# Altium PCB AD9361_EXT.PcbDoc (part 6 of 9)
Units mil, origin at the board's own origin, x right, y up, seen from the top; angles counter-clockwise.
Board outline 3145.03 x 1955.03 mil, 2 copper layers (Top Layer, Bottom Layer); 53 components, 59 nets, 286 pads, 253 vias.
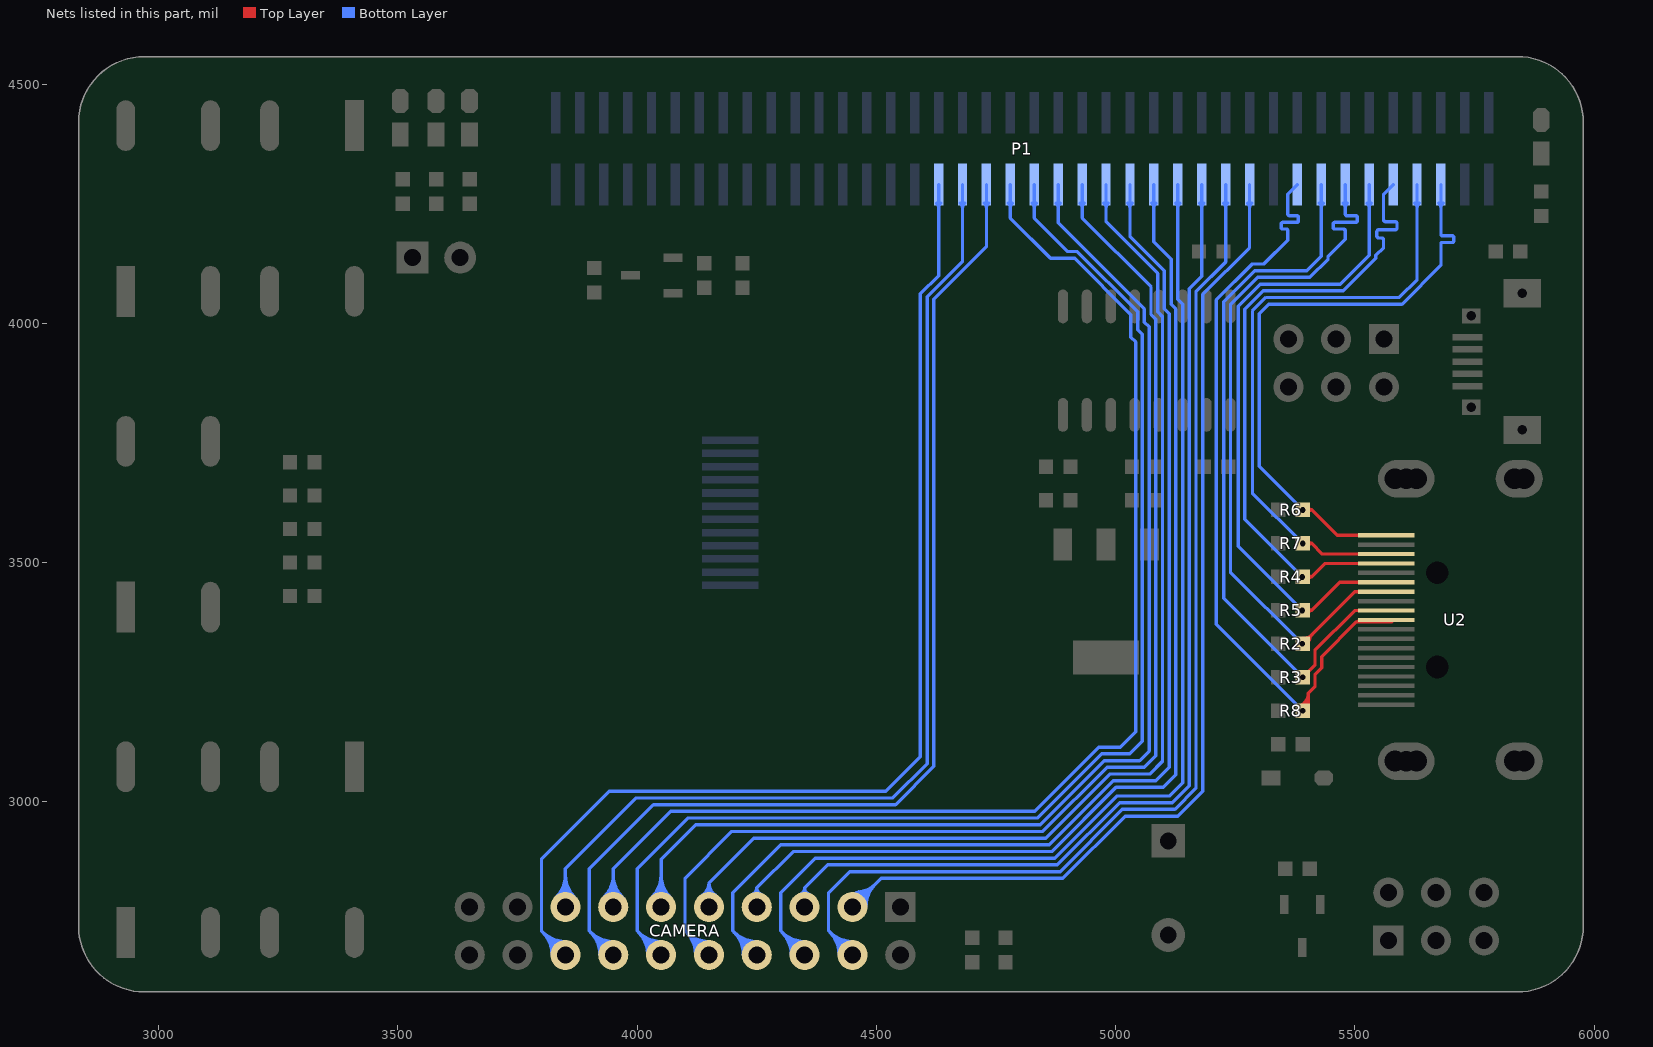
[diagram p6: the nets of this part, all layers, seen from the top]

## Via types
v1: diameter 20, hole 12, Top Layer to Bottom Layer, tented both sides, 253 vias

## Nets (pads, with @x,y where several pads share a name; then routed paths per layer and width w, separated by ;. In a path a pad name is that pad's centre, name@x,y a point inside that pad or via, vN(x,y) a via of type N, cw(c..) or ccw(c..) an arc to the next point about the centre after c; other vN are vias at no path point) (continued)
HDMI_CLK_P: P1.64 R8.1 U2.10 | length 2469.1
  Top Layer w7: v1(5391.18,3190) 5402.68,3201.5 5402.68,3226.65 ; U2.10@5566.06,3380 5581.18,3380 5576.99,3375.82 5503.13,3375.82 ; R8.1@5386.18,3200.36 ccw(c5373.48,3226.65) 5402.68,3226.65 ; R8.1@5386.18,3200.36 ccw(c5373.48,3226.65) 5402.68,3226.65 ; R8.1@5386.18,3200.36 ccw(c5373.48,3226.65) 5402.68,3226.65 ; R8.1@5386.18,3200.36 ccw(c5373.48,3226.65) 5402.68,3226.65 ; R8.1@5389.22,3194.06 ccw(c5378.87,3215.5) 5402.68,3215.5 ; R8.1@5389.22,3194.06 ccw(c5378.87,3215.5) 5402.68,3215.5 ; R8.1@5389.22,3194.06 ccw(c5378.87,3215.5) 5402.68,3215.5 ; R8.1@5389.22,3194.06 ccw(c5378.87,3215.5) 5402.68,3215.5 ; R8.1@5390.69,3190.1 cw(c5401.42,3187.9) R8.1@5398.59,3198.48 ; R8.1@5390.69,3190.1 cw(c5401.42,3187.9) R8.1@5398.59,3198.48 ; R8.1@5390.69,3190.1 cw(c5401.42,3187.9) R8.1@5398.59,3198.48 ; R8.1@5390.69,3190.1 cw(c5401.42,3187.9) R8.1@5398.59,3198.48 ; R8.1@5390.69,3190.1 cw(c5401.42,3187.9) R8.1@5398.59,3198.48 ; R8.1@5390.69,3190.1 cw(c5401.42,3187.9) R8.1@5398.59,3198.48 ; R8.1@5391.18,3196.5 ccw(c5391.18,3212.18) R8.1@5402.27,3201.09 ; R8.1@5391.18,3196.5 ccw(c5391.18,3212.18) R8.1@5402.27,3201.09 ; R8.1@5391.18,3196.5 ccw(c5391.18,3212.18) R8.1@5402.27,3201.09 ; R8.1@5391.18,3196.5 ccw(c5391.18,3212.18) R8.1@5402.27,3201.09 ; R8.1@5391.28,3189.51 ccw(c5389.08,3200.25) R8.1@5399.67,3197.41 ; R8.1@5391.28,3189.51 ccw(c5389.08,3200.25) R8.1@5399.67,3197.41 ; R8.1@5391.28,3189.51 ccw(c5389.08,3200.25) R8.1@5399.67,3197.41 ; R8.1@5391.28,3189.51 ccw(c5389.08,3200.25) R8.1@5399.67,3197.41 ; R8.1@5391.28,3189.51 ccw(c5389.08,3200.25) R8.1@5399.67,3197.41 ; R8.1@5391.28,3189.51 ccw(c5389.08,3200.25) R8.1@5399.67,3197.41 ; R8.1@5392.27,3187.75 ccw(c5384.26,3204.34) R8.1@5402.68,3204.34 ; R8.1@5392.27,3187.75 ccw(c5384.26,3204.34) R8.1@5402.68,3204.34 ; R8.1@5392.27,3187.75 ccw(c5384.26,3204.34) R8.1@5402.68,3204.34 ; R8.1@5392.27,3187.75 ccw(c5384.26,3204.34) R8.1@5402.68,3204.34 ; R8.1@5397.03,3192.83 cw(c5404.36,3196.37) R8.1@5399.05,3202.53 ; R8.1@5397.03,3192.83 cw(c5404.36,3196.37) R8.1@5399.05,3202.53 ; R8.1@5397.03,3192.83 cw(c5404.36,3196.37) R8.1@5399.05,3202.53 ; R8.1@5397.03,3192.83 cw(c5404.36,3196.37) R8.1@5399.05,3202.53 ; R8.1@5397.03,3192.83 cw(c5404.36,3196.37) R8.1@5399.05,3202.53 ; R8.1@5397.03,3192.83 cw(c5404.36,3196.37) R8.1@5399.05,3202.53 ; R8.1@5397.03,3192.83 cw(c5404.36,3196.37) R8.1@5399.05,3202.53 ; R8.1@5397.03,3192.83 cw(c5404.36,3196.37) R8.1@5399.05,3202.53 ; R8.1@5397.03,3192.83 cw(c5404.36,3196.37) R8.1@5399.05,3202.53 ; R8.1@5397.03,3192.83 cw(c5404.36,3196.37) R8.1@5399.05,3202.53 ; R8.1@5397.68,3190 cw(c5413.38,3190) R8.1@5402.28,3201.1 ; R8.1@5397.68,3190 cw(c5413.38,3190) R8.1@5402.28,3201.1 ; R8.1@5397.68,3190 cw(c5413.38,3190) R8.1@5402.28,3201.1 ; R8.1@5397.68,3190 cw(c5413.38,3190) R8.1@5402.28,3201.1 ; 5402.68,3226.65 5416.68,3240.65 5416.68,3265.7 5430.68,3279.7 5430.68,3303.37 5503.13,3375.82 ; 5503.13,3375.82 ccw(c5503.13,3384.17) U2.10@5510.61,3380.46 ; 5503.13,3375.82 ccw(c5503.13,3384.17) U2.10@5510.61,3380.46 ; 5503.13,3375.82 ccw(c5503.13,3384.17) U2.10@5510.61,3380.46 ; 5503.13,3375.82 ccw(c5503.13,3384.17) U2.10@5510.61,3380.46 ; U2.10@5514.42,3375.81 ccw(c5514.42,3378.57) U2.10@5516.89,3377.35 ; U2.10@5514.42,3375.81 ccw(c5514.42,3378.57) U2.10@5516.89,3377.35 ; U2.10@5514.42,3375.81 ccw(c5514.42,3378.57) U2.10@5516.89,3377.35 ; U2.10@5514.42,3375.81 ccw(c5514.42,3378.57) U2.10@5516.89,3377.35
  Bottom Layer w7: P1.64@5380,4290 5360,4270 5360,4250 5360,4228.5 ccw(c5363.5,4228.5) 5363.5,4225 5378.59,4225 cw(c5378.59,4221.5) 5382.09,4221.5 5382.09,4214.5 cw(c5378.59,4214.5) 5378.59,4211 5360,4211 5349.5,4211 ccw(c5349.5,4207.5) 5346,4207.5 5346,4200.5 ccw(c5349.5,4200.5) 5349.5,4197 5356.5,4197 cw(c5356.5,4193.5) 5360,4193.5 5360,4190 5360,4174 5310,4124 5285.21,4124 5210,4048.79 5210,3371.18 v1(5391.18,3190) ; 5380.09,3201.1 cw(c5368.99,3190) v1@5384.68,3190 ; 5380.08,3201.1 ccw(c5391.18,3212.19) v1@5391.18,3196.5 ; 5380.09,3201.1 cw(c5368.99,3190) v1@5384.68,3190 ; 5380.08,3201.1 ccw(c5391.18,3212.19) v1@5391.18,3196.5 ; 5380.09,3201.1 cw(c5368.99,3190) v1@5384.68,3190 ; 5380.08,3201.1 ccw(c5391.18,3212.19) v1@5391.18,3196.5 ; 5380.09,3201.1 cw(c5368.99,3190) v1@5384.68,3190 ; 5380.08,3201.1 ccw(c5391.18,3212.19) v1@5391.18,3196.5
HDMI_DATA0_N: P1.66 R3.1 U2.9 | length 1936.5
  Top Layer w7: v1(5391.18,3260) 5416.68,3285.5 5416.68,3316.37 5500,3399.69 U2.9@5566.06,3399.69 ; R3.1@5390.69,3260.1 cw(c5401.42,3257.9) R3.1@5398.59,3268.48 ; R3.1@5390.69,3260.1 cw(c5401.42,3257.9) R3.1@5398.59,3268.48 ; R3.1@5390.69,3260.1 cw(c5401.42,3257.9) R3.1@5398.59,3268.48 ; R3.1@5390.69,3260.1 cw(c5401.42,3257.9) R3.1@5398.59,3268.48 ; R3.1@5390.69,3260.1 cw(c5401.42,3257.9) R3.1@5398.59,3268.48 ; R3.1@5390.69,3260.1 cw(c5401.42,3257.9) R3.1@5398.59,3268.48 ; R3.1@5391.18,3266.5 ccw(c5391.18,3282.18) R3.1@5402.27,3271.09 ; R3.1@5391.18,3266.5 ccw(c5391.18,3282.18) R3.1@5402.27,3271.09 ; R3.1@5391.18,3266.5 ccw(c5391.18,3282.18) R3.1@5402.27,3271.09 ; R3.1@5391.18,3266.5 ccw(c5391.18,3282.18) R3.1@5402.27,3271.09 ; R3.1@5391.28,3259.51 ccw(c5389.08,3270.25) R3.1@5399.67,3267.41 ; R3.1@5391.28,3259.51 ccw(c5389.08,3270.25) R3.1@5399.67,3267.41 ; R3.1@5391.28,3259.51 ccw(c5389.08,3270.25) R3.1@5399.67,3267.41 ; R3.1@5391.28,3259.51 ccw(c5389.08,3270.25) R3.1@5399.67,3267.41 ; R3.1@5391.28,3259.51 ccw(c5389.08,3270.25) R3.1@5399.67,3267.41 ; R3.1@5391.28,3259.51 ccw(c5389.08,3270.25) R3.1@5399.67,3267.41 ; R3.1@5397.68,3260 cw(c5413.38,3260) R3.1@5402.28,3271.1 ; R3.1@5397.68,3260 cw(c5413.38,3260) R3.1@5402.28,3271.1 ; R3.1@5397.68,3260 cw(c5413.38,3260) R3.1@5402.28,3271.1 ; R3.1@5397.68,3260 cw(c5413.38,3260) R3.1@5402.28,3271.1
  Bottom Layer w7: v1(5391.18,3260) 5226,3425.18 5226,4044.99 5291.01,4110 5400,4110 5430,4140 P1.66@5430,4290 ; 5380.09,3271.1 cw(c5368.99,3260) v1@5384.68,3260 ; 5380.08,3271.1 ccw(c5391.18,3282.19) v1@5391.18,3266.5 ; 5380.09,3271.1 cw(c5368.99,3260) v1@5384.68,3260 ; 5380.08,3271.1 ccw(c5391.18,3282.19) v1@5391.18,3266.5 ; 5380.09,3271.1 cw(c5368.99,3260) v1@5384.68,3260 ; 5380.08,3271.1 ccw(c5391.18,3282.19) v1@5391.18,3266.5 ; 5380.09,3271.1 cw(c5368.99,3260) v1@5384.68,3260 ; 5380.08,3271.1 ccw(c5391.18,3282.19) v1@5391.18,3266.5 ; P1.66@5425.52,4251.66 cw(c5414.69,4240.83) 5430,4240.83 ; P1.66@5425.52,4251.66 cw(c5414.69,4240.83) 5430,4240.83 ; P1.66@5425.52,4251.66 cw(c5414.69,4240.83) 5430,4240.83 ; P1.66@5425.52,4251.66 cw(c5414.69,4240.83) 5430,4240.83 ; 5430,4240.83 cw(c5445.31,4240.83) P1.66@5434.48,4251.66 ; 5430,4240.83 cw(c5445.31,4240.83) P1.66@5434.48,4251.66 ; 5430,4240.83 cw(c5445.31,4240.83) P1.66@5434.48,4251.66 ; 5430,4240.83 cw(c5445.31,4240.83) P1.66@5434.48,4251.66
HDMI_DATA0_P: P1.68 R2.1 U2.7 | length 2231.2
  Top Layer w7: R2.1@5391.18,3330 5411.18,3350 5411.18,3350.23 5500,3439.06 U2.7@5566.06,3439.06 ; R2.1@5389.52,3330.13 cw(c5401.18,3327) R2.1@5398.05,3338.66 ; R2.1@5389.52,3330.13 cw(c5401.18,3327) R2.1@5398.05,3338.66 ; R2.1@5389.52,3330.13 cw(c5401.18,3327) R2.1@5398.05,3338.66 ; R2.1@5389.52,3330.13 cw(c5401.18,3327) R2.1@5398.05,3338.66 ; R2.1@5389.52,3330.13 cw(c5401.18,3327) R2.1@5398.05,3338.66 ; R2.1@5389.52,3330.13 cw(c5401.18,3327) R2.1@5398.05,3338.66 ; R2.1@5390,3336.5 ccw(c5390,3355.04) R2.1@5403.11,3341.93 ; R2.1@5390,3336.5 ccw(c5390,3355.04) R2.1@5403.11,3341.93 ; R2.1@5390,3336.5 ccw(c5390,3355.04) R2.1@5403.11,3341.93 ; R2.1@5390,3336.5 ccw(c5390,3355.04) R2.1@5403.11,3341.93 ; R2.1@5390.07,3329.5 ccw(c5388.73,3339.33) R2.1@5398.31,3336.76 ; R2.1@5390.07,3329.5 ccw(c5388.73,3339.33) R2.1@5398.31,3336.76 ; R2.1@5390.07,3329.5 ccw(c5388.73,3339.33) R2.1@5398.31,3336.76 ; R2.1@5390.07,3329.5 ccw(c5388.73,3339.33) R2.1@5398.31,3336.76 ; R2.1@5390.07,3329.5 ccw(c5388.73,3339.33) R2.1@5398.31,3336.76 ; R2.1@5390.07,3329.5 ccw(c5388.73,3339.33) R2.1@5398.31,3336.76 ; R2.1@5391.18,3341.5 ccw(c5391.18,3369.27) 5410.81,3349.63 ; R2.1@5391.18,3341.5 ccw(c5391.18,3369.27) 5410.81,3349.63 ; R2.1@5391.18,3341.5 ccw(c5391.18,3369.27) 5410.81,3349.63 ; R2.1@5391.18,3341.5 ccw(c5391.18,3369.27) 5410.81,3349.63 ; R2.1@5391.68,3327.55 ccw(c5388.06,3345.26) R2.1@5405.52,3340.58 ; R2.1@5391.68,3327.55 ccw(c5388.06,3345.26) R2.1@5405.52,3340.58 ; R2.1@5391.68,3327.55 ccw(c5388.06,3345.26) R2.1@5405.52,3340.58 ; R2.1@5391.68,3327.55 ccw(c5388.06,3345.26) R2.1@5405.52,3340.58 ; R2.1@5391.68,3327.55 ccw(c5388.06,3345.26) R2.1@5405.52,3340.58 ; R2.1@5391.68,3327.55 ccw(c5388.06,3345.26) R2.1@5405.52,3340.58 ; R2.1@5396.5,3330 cw(c5409.35,3330) R2.1@5400.26,3339.09 ; R2.1@5396.5,3330 cw(c5409.35,3330) R2.1@5400.26,3339.09 ; R2.1@5396.5,3330 cw(c5409.35,3330) R2.1@5400.26,3339.09 ; R2.1@5396.5,3330 cw(c5409.35,3330) R2.1@5400.26,3339.09 ; R2.1@5402.68,3330 cw(c5430.44,3330) 5410.81,3349.63 ; R2.1@5402.68,3330 cw(c5430.44,3330) 5410.81,3349.63 ; R2.1@5402.68,3330 cw(c5430.44,3330) 5410.81,3349.63 ; R2.1@5402.68,3330 cw(c5430.44,3330) 5410.81,3349.63
  Bottom Layer w7: v1(5390,3330) 5240,3480 5240,4039.2 5296.8,4096 5405.8,4096 5444,4134.2 5444,4140 5480,4176 5480,4190 5480,4193.5 ccw(c5476.5,4193.5) 5476.5,4197 5458.24,4197 cw(c5458.24,4200.5) 5454.74,4200.5 5454.74,4207.5 cw(c5458.24,4207.5) 5458.24,4211 5480,4211 5501.76,4211 ccw(c5501.76,4214.5) 5505.26,4214.5 5505.26,4221.5 ccw(c5501.76,4221.5) 5501.76,4225 5483.5,4225 cw(c5483.5,4228.5) 5480,4228.5 5480,4230 P1.68@5480,4290 ; 5378.9,3341.1 cw(c5367.81,3330) v1@5383.5,3330 ; 5378.9,3341.1 ccw(c5390,3352.19) v1@5390,3336.5 ; 5378.9,3341.1 cw(c5367.81,3330) v1@5383.5,3330 ; 5378.9,3341.1 ccw(c5390,3352.19) v1@5390,3336.5 ; 5378.9,3341.1 cw(c5367.81,3330) v1@5383.5,3330 ; 5378.9,3341.1 ccw(c5390,3352.19) v1@5390,3336.5 ; 5378.9,3341.1 cw(c5367.81,3330) v1@5383.5,3330 ; 5378.9,3341.1 ccw(c5390,3352.19) v1@5390,3336.5 ; P1.68@5475.52,4251.66 cw(c5464.69,4240.83) 5480,4240.83 ; P1.68@5475.52,4251.66 cw(c5464.69,4240.83) 5480,4240.83 ; P1.68@5475.52,4251.66 cw(c5464.69,4240.83) 5480,4240.83 ; P1.68@5475.52,4251.66 cw(c5464.69,4240.83) 5480,4240.83 ; 5480,4240.83 cw(c5495.31,4240.83) P1.68@5484.48,4251.66 ; 5480,4240.83 cw(c5495.31,4240.83) P1.68@5484.48,4251.66 ; 5480,4240.83 cw(c5495.31,4240.83) P1.68@5484.48,4251.66 ; 5480,4240.83 cw(c5495.31,4240.83) P1.68@5484.48,4251.66
HDMI_DATA1_N: P1.70 R5.1 U2.6 | length 1734.3
  Top Layer w7: R5.1@5391.18,3400 5410,3400 ; U2.6@5566.06,3458.74 5468.74,3458.74 5410,3400 ; R5.1@5394.6,3395.4 cw(c5405.7,3384.3) R5.1@5405.7,3400 ; R5.1@5394.6,3395.4 cw(c5405.7,3384.3) R5.1@5405.7,3400 ; R5.1@5394.6,3395.4 cw(c5405.7,3384.3) R5.1@5405.7,3400 ; R5.1@5394.6,3395.4 cw(c5405.7,3384.3) R5.1@5405.7,3400 ; R5.1@5394.6,3404.6 ccw(c5405.68,3415.68) R5.1@5405.68,3400 ; R5.1@5394.6,3404.6 ccw(c5405.68,3415.68) R5.1@5405.68,3400 ; R5.1@5394.6,3404.6 ccw(c5405.68,3415.68) R5.1@5405.68,3400 ; R5.1@5394.6,3404.6 ccw(c5405.68,3415.68) R5.1@5405.68,3400 ; R5.1@5401.41,3394.76 cw(c5410,3390.36) 5410,3400 ; R5.1@5401.41,3394.76 cw(c5410,3390.36) 5410,3400 ; R5.1@5401.41,3394.76 cw(c5410,3390.36) 5410,3400 ; R5.1@5401.41,3394.76 cw(c5410,3390.36) 5410,3400 ; R5.1@5401.41,3405.25 ccw(c5410,3409.65) 5410,3400 ; R5.1@5401.41,3405.25 ccw(c5410,3409.65) 5410,3400 ; R5.1@5401.41,3405.25 ccw(c5410,3409.65) 5410,3400 ; R5.1@5401.41,3405.25 ccw(c5410,3409.65) 5410,3400
  Bottom Layer w7: v1(5390,3400) 5256,3534 5256,4035.4 5302.6,4082 5470,4082 5530,4142 P1.70@5530,4290 ; 5378.9,3411.1 cw(c5367.81,3400) v1@5383.5,3400 ; 5378.9,3411.1 ccw(c5390,3422.19) v1@5390,3406.5 ; 5378.9,3411.1 cw(c5367.81,3400) v1@5383.5,3400 ; 5378.9,3411.1 ccw(c5390,3422.19) v1@5390,3406.5 ; 5378.9,3411.1 cw(c5367.81,3400) v1@5383.5,3400 ; 5378.9,3411.1 ccw(c5390,3422.19) v1@5390,3406.5 ; 5378.9,3411.1 cw(c5367.81,3400) v1@5383.5,3400 ; 5378.9,3411.1 ccw(c5390,3422.19) v1@5390,3406.5 ; P1.70@5525.52,4251.66 cw(c5514.69,4240.83) 5530,4240.83 ; P1.70@5525.52,4251.66 cw(c5514.69,4240.83) 5530,4240.83 ; P1.70@5525.52,4251.66 cw(c5514.69,4240.83) 5530,4240.83 ; P1.70@5525.52,4251.66 cw(c5514.69,4240.83) 5530,4240.83 ; 5530,4240.83 cw(c5545.31,4240.83) P1.70@5534.48,4251.66 ; 5530,4240.83 cw(c5545.31,4240.83) P1.70@5534.48,4251.66 ; 5530,4240.83 cw(c5545.31,4240.83) P1.70@5534.48,4251.66 ; 5530,4240.83 cw(c5545.31,4240.83) P1.70@5534.48,4251.66
HDMI_DATA1_P: P1.72 R4.1 U2.4 | length 1638.1
  Top Layer w7: R4.1@5391.18,3470 5410,3470 ; U2.4@5566.06,3498.11 5438.11,3498.11 5410,3470 ; R4.1@5394.6,3465.4 cw(c5405.7,3454.3) R4.1@5405.7,3470 ; R4.1@5394.6,3465.4 cw(c5405.7,3454.3) R4.1@5405.7,3470 ; R4.1@5394.6,3465.4 cw(c5405.7,3454.3) R4.1@5405.7,3470 ; R4.1@5394.6,3465.4 cw(c5405.7,3454.3) R4.1@5405.7,3470 ; R4.1@5394.6,3474.6 ccw(c5405.68,3485.68) R4.1@5405.68,3470 ; R4.1@5394.6,3474.6 ccw(c5405.68,3485.68) R4.1@5405.68,3470 ; R4.1@5394.6,3474.6 ccw(c5405.68,3485.68) R4.1@5405.68,3470 ; R4.1@5394.6,3474.6 ccw(c5405.68,3485.68) R4.1@5405.68,3470 ; R4.1@5401.41,3464.76 cw(c5410,3460.36) 5410,3470 ; R4.1@5401.41,3464.76 cw(c5410,3460.36) 5410,3470 ; R4.1@5401.41,3464.76 cw(c5410,3460.36) 5410,3470 ; R4.1@5401.41,3464.76 cw(c5410,3460.36) 5410,3470 ; R4.1@5401.41,3475.25 ccw(c5410,3479.65) 5410,3470 ; R4.1@5401.41,3475.25 ccw(c5410,3479.65) 5410,3470 ; R4.1@5401.41,3475.25 ccw(c5410,3479.65) 5410,3470 ; R4.1@5401.41,3475.25 ccw(c5410,3479.65) 5410,3470
  Bottom Layer w7: v1(5390,3470) 5270,3590 5270,4029.6 5308.4,4068 5475.8,4068 5544,4136.2 5544,4142 5560,4158 5560,4170 5560,4174.25 ccw(c5555.75,4174.25) 5555.75,4178.5 5550.25,4178.5 cw(c5550.25,4182.75) 5546,4182.75 5546,4191.25 cw(c5550.25,4191.25) 5550.25,4195.5 5560,4195.5 5584.01,4195.5 ccw(c5584.01,4199.75) 5588.26,4199.75 5588.26,4208.25 ccw(c5584.01,4208.25) 5584.01,4212.5 5564.25,4212.5 cw(c5564.25,4216.75) 5560,4216.75 5560,4230 5560,4270 P1.72@5580,4290 ; 5378.9,3481.1 cw(c5367.81,3470) v1@5383.5,3470 ; 5378.9,3481.1 ccw(c5390,3492.19) v1@5390,3476.5 ; 5378.9,3481.1 cw(c5367.81,3470) v1@5383.5,3470 ; 5378.9,3481.1 ccw(c5390,3492.19) v1@5390,3476.5 ; 5378.9,3481.1 cw(c5367.81,3470) v1@5383.5,3470 ; 5378.9,3481.1 ccw(c5390,3492.19) v1@5390,3476.5 ; 5378.9,3481.1 cw(c5367.81,3470) v1@5383.5,3470 ; 5378.9,3481.1 ccw(c5390,3492.19) v1@5390,3476.5
HDMI_DATA2_N: P1.74 R7.1 U2.3 | length 1661.5
  Top Layer w7: v1(5391.18,3540) 5410,3540 ; U2.3@5566.06,3517.8 5432.2,3517.8 5410,3540 ; R7.1@5395.78,3535.4 cw(c5406.87,3524.31) 5406.87,3540 ; R7.1@5395.78,3535.4 cw(c5406.87,3524.31) 5406.87,3540 ; R7.1@5395.78,3535.4 cw(c5406.87,3524.31) 5406.87,3540 ; R7.1@5395.78,3535.4 cw(c5406.87,3524.31) 5406.87,3540 ; R7.1@5395.78,3544.6 ccw(c5406.87,3555.69) 5406.87,3540 ; R7.1@5395.78,3544.6 ccw(c5406.87,3555.69) 5406.87,3540 ; R7.1@5395.78,3544.6 ccw(c5406.87,3555.69) 5406.87,3540 ; R7.1@5395.78,3544.6 ccw(c5406.87,3555.69) 5406.87,3540 ; R7.1@5401.41,3534.75 cw(c5410,3530.35) 5410,3540 ; R7.1@5401.41,3534.75 cw(c5410,3530.35) 5410,3540 ; R7.1@5401.41,3534.75 cw(c5410,3530.35) 5410,3540 ; R7.1@5401.41,3534.75 cw(c5410,3530.35) 5410,3540 ; R7.1@5401.41,3545.25 ccw(c5410,3549.65) 5410,3540 ; R7.1@5401.41,3545.25 ccw(c5410,3549.65) 5410,3540 ; R7.1@5401.41,3545.25 ccw(c5410,3549.65) 5410,3540 ; R7.1@5401.41,3545.25 ccw(c5410,3549.65) 5410,3540
  Bottom Layer w7: v1(5391.18,3540) 5286,3645.18 5286,4025.8 5310.1,4049.9 5314.2,4054 5592.94,4054 5630,4091.06 P1.74@5630,4290 ; 5380.09,3551.1 cw(c5368.99,3540) v1@5384.68,3540 ; 5380.08,3551.1 ccw(c5391.18,3562.19) v1@5391.18,3546.5 ; 5380.09,3551.1 cw(c5368.99,3540) v1@5384.68,3540 ; 5380.08,3551.1 ccw(c5391.18,3562.19) v1@5391.18,3546.5 ; 5380.09,3551.1 cw(c5368.99,3540) v1@5384.68,3540 ; 5380.08,3551.1 ccw(c5391.18,3562.19) v1@5391.18,3546.5 ; 5380.09,3551.1 cw(c5368.99,3540) v1@5384.68,3540 ; 5380.08,3551.1 ccw(c5391.18,3562.19) v1@5391.18,3546.5 ; P1.74@5625.52,4251.66 cw(c5614.69,4240.83) 5630,4240.83 ; P1.74@5625.52,4251.66 cw(c5614.69,4240.83) 5630,4240.83 ; P1.74@5625.52,4251.66 cw(c5614.69,4240.83) 5630,4240.83 ; P1.74@5625.52,4251.66 cw(c5614.69,4240.83) 5630,4240.83 ; 5630,4240.83 cw(c5645.31,4240.83) P1.74@5634.48,4251.66 ; 5630,4240.83 cw(c5645.31,4240.83) P1.74@5634.48,4251.66 ; 5630,4240.83 cw(c5645.31,4240.83) P1.74@5634.48,4251.66 ; 5630,4240.83 cw(c5645.31,4240.83) P1.74@5634.48,4251.66
HDMI_DATA2_P: P1.76 R6.1 U2.1 | length 1661.5
  Top Layer w7: v1(5391.18,3610) 5410,3610 ; U2.1@5566.06,3557.17 5462.83,3557.17 5410,3610 ; R6.1@5395.78,3605.4 cw(c5406.87,3594.31) 5406.87,3610 ; R6.1@5395.78,3605.4 cw(c5406.87,3594.31) 5406.87,3610 ; R6.1@5395.78,3605.4 cw(c5406.87,3594.31) 5406.87,3610 ; R6.1@5395.78,3605.4 cw(c5406.87,3594.31) 5406.87,3610 ; R6.1@5395.78,3614.6 ccw(c5406.87,3625.69) 5406.87,3610 ; R6.1@5395.78,3614.6 ccw(c5406.87,3625.69) 5406.87,3610 ; R6.1@5395.78,3614.6 ccw(c5406.87,3625.69) 5406.87,3610 ; R6.1@5395.78,3614.6 ccw(c5406.87,3625.69) 5406.87,3610 ; R6.1@5401.41,3604.75 cw(c5410,3600.35) 5410,3610 ; R6.1@5401.41,3604.75 cw(c5410,3600.35) 5410,3610 ; R6.1@5401.41,3604.75 cw(c5410,3600.35) 5410,3610 ; R6.1@5401.41,3604.75 cw(c5410,3600.35) 5410,3610 ; R6.1@5401.41,3615.25 ccw(c5410,3619.65) 5410,3610 ; R6.1@5401.41,3615.25 ccw(c5410,3619.65) 5410,3610 ; R6.1@5401.41,3615.25 ccw(c5410,3619.65) 5410,3610 ; R6.1@5401.41,3615.25 ccw(c5410,3619.65) 5410,3610
  Bottom Layer w7: v1(5391.18,3610) 5300,3701.18 5300,4020 5320,4040 5598.74,4040 5680,4121.26 5680,4150 5680,4166.2 cw(c5682.8,4166.2) 5682.8,4169 5703.7,4169 ccw(c5703.7,4171.8) 5706.5,4171.8 5706.5,4180.2 ccw(c5703.7,4180.2) 5703.7,4183 5682.8,4183 cw(c5682.8,4185.8) 5680,4185.8 5680,4190 P1.76@5680,4290 ; 5380.09,3621.1 cw(c5368.99,3610) v1@5384.68,3610 ; 5380.08,3621.1 ccw(c5391.18,3632.19) v1@5391.18,3616.5 ; 5380.09,3621.1 cw(c5368.99,3610) v1@5384.68,3610 ; 5380.08,3621.1 ccw(c5391.18,3632.19) v1@5391.18,3616.5 ; 5380.09,3621.1 cw(c5368.99,3610) v1@5384.68,3610 ; 5380.08,3621.1 ccw(c5391.18,3632.19) v1@5391.18,3616.5 ; 5380.09,3621.1 cw(c5368.99,3610) v1@5384.68,3610 ; 5380.08,3621.1 ccw(c5391.18,3632.19) v1@5391.18,3616.5 ; P1.76@5675.52,4251.66 cw(c5664.69,4240.83) 5680,4240.83 ; P1.76@5675.52,4251.66 cw(c5664.69,4240.83) 5680,4240.83 ; P1.76@5675.52,4251.66 cw(c5664.69,4240.83) 5680,4240.83 ; P1.76@5675.52,4251.66 cw(c5664.69,4240.83) 5680,4240.83 ; 5680,4240.83 cw(c5695.31,4240.83) P1.76@5684.48,4251.66 ; 5680,4240.83 cw(c5695.31,4240.83) P1.76@5684.48,4251.66 ; 5680,4240.83 cw(c5695.31,4240.83) P1.76@5684.48,4251.66 ; 5680,4240.83 cw(c5695.31,4240.83) P1.76@5684.48,4251.66
IO_1: CAMERA.3 P1.60 | length 4054.5
  Bottom Layer w7: P1.60@5280,4290 5280,4158.39 5182,4060.39 5182,3022 5130,2970 5020,2970 4890,2840 4510,2840 CAMERA.3@4450,2780 ; CAMERA.3@4436.28,2782.81 cw(c4473.11,2775.27) 4463.38,2811.58 ; CAMERA.3@4436.28,2782.81 cw(c4473.11,2775.27) 4463.38,2811.58 ; CAMERA.3@4436.28,2782.81 cw(c4473.11,2775.27) 4463.38,2811.58 ; CAMERA.3@4436.28,2782.81 cw(c4473.11,2775.27) 4463.38,2811.58 ; CAMERA.3@4436.28,2782.81 cw(c4473.11,2775.27) 4463.38,2811.58 ; CAMERA.3@4436.28,2782.81 cw(c4473.11,2775.27) 4463.38,2811.58 ; CAMERA.3@4443.14,2781.41 cw(c4485.52,2772.73) 4474.32,2814.51 ; CAMERA.3@4443.14,2781.41 cw(c4485.52,2772.73) 4474.32,2814.51 ; CAMERA.3@4443.14,2781.41 cw(c4485.52,2772.73) 4474.32,2814.51 ; CAMERA.3@4443.14,2781.41 cw(c4485.52,2772.73) 4474.32,2814.51 ; CAMERA.3@4443.14,2781.41 cw(c4485.52,2772.73) 4474.32,2814.51 ; CAMERA.3@4443.14,2781.41 cw(c4485.52,2772.73) 4474.32,2814.51 ; CAMERA.3@4450,2780 cw(c4497.93,2770.19) 4485.27,2817.45 ; CAMERA.3@4450,2780 cw(c4497.93,2770.19) 4485.27,2817.45 ; CAMERA.3@4450,2780 cw(c4497.93,2770.19) 4485.27,2817.45 ; CAMERA.3@4450,2780 cw(c4497.93,2770.19) 4485.27,2817.45 ; CAMERA.3@4450,2780 cw(c4497.93,2770.19) 4485.27,2817.45 ; CAMERA.3@4450,2780 cw(c4497.93,2770.19) 4485.27,2817.45 ; CAMERA.3@4450,2794 ccw(c4450,2827.79) 4473.89,2803.89 ; CAMERA.3@4450,2794 ccw(c4450,2827.79) 4473.89,2803.89 ; CAMERA.3@4450,2794 ccw(c4450,2827.79) 4473.89,2803.89 ; CAMERA.3@4450,2794 ccw(c4450,2827.79) 4473.89,2803.89 ; CAMERA.3@4450,2801 ccw(c4450,2851.68) 4485.84,2815.84 ; CAMERA.3@4450,2801 ccw(c4450,2851.68) 4485.84,2815.84 ; CAMERA.3@4450,2801 ccw(c4450,2851.68) 4485.84,2815.84 ; CAMERA.3@4450,2801 ccw(c4450,2851.68) 4485.84,2815.84 ; CAMERA.3@4450,2808 ccw(c4450,2875.58) 4497.79,2827.79 ; CAMERA.3@4450,2808 ccw(c4450,2875.58) 4497.79,2827.79 ; CAMERA.3@4450,2808 ccw(c4450,2875.58) 4497.79,2827.79 ; CAMERA.3@4450,2808 ccw(c4450,2875.58) 4497.79,2827.79 ; CAMERA.3@4464,2780 cw(c4497.79,2780) 4473.89,2803.89 ; CAMERA.3@4464,2780 cw(c4497.79,2780) 4473.89,2803.89 ; CAMERA.3@4464,2780 cw(c4497.79,2780) 4473.89,2803.89 ; CAMERA.3@4464,2780 cw(c4497.79,2780) 4473.89,2803.89 ; CAMERA.3@4471,2780 cw(c4521.68,2780) 4485.84,2815.84 ; CAMERA.3@4471,2780 cw(c4521.68,2780) 4485.84,2815.84 ; CAMERA.3@4471,2780 cw(c4521.68,2780) 4485.84,2815.84 ; CAMERA.3@4471,2780 cw(c4521.68,2780) 4485.84,2815.84 ; CAMERA.3@4478,2780 cw(c4545.58,2780) 4497.79,2827.79 ; CAMERA.3@4478,2780 cw(c4545.58,2780) 4497.79,2827.79 ; CAMERA.3@4478,2780 cw(c4545.58,2780) 4497.79,2827.79 ; CAMERA.3@4478,2780 cw(c4545.58,2780) 4497.79,2827.79 ; P1.60@5275.52,4251.66 cw(c5264.69,4240.83) 5280,4240.83 ; P1.60@5275.52,4251.66 cw(c5264.69,4240.83) 5280,4240.83 ; P1.60@5275.52,4251.66 cw(c5264.69,4240.83) 5280,4240.83 ; P1.60@5275.52,4251.66 cw(c5264.69,4240.83) 5280,4240.83 ; 5280,4240.83 cw(c5295.31,4240.83) P1.60@5284.48,4251.66 ; 5280,4240.83 cw(c5295.31,4240.83) P1.60@5284.48,4251.66 ; 5280,4240.83 cw(c5295.31,4240.83) P1.60@5284.48,4251.66 ; 5280,4240.83 cw(c5295.31,4240.83) P1.60@5284.48,4251.66